# KiCad board PC110.kicad_pcb (continued)
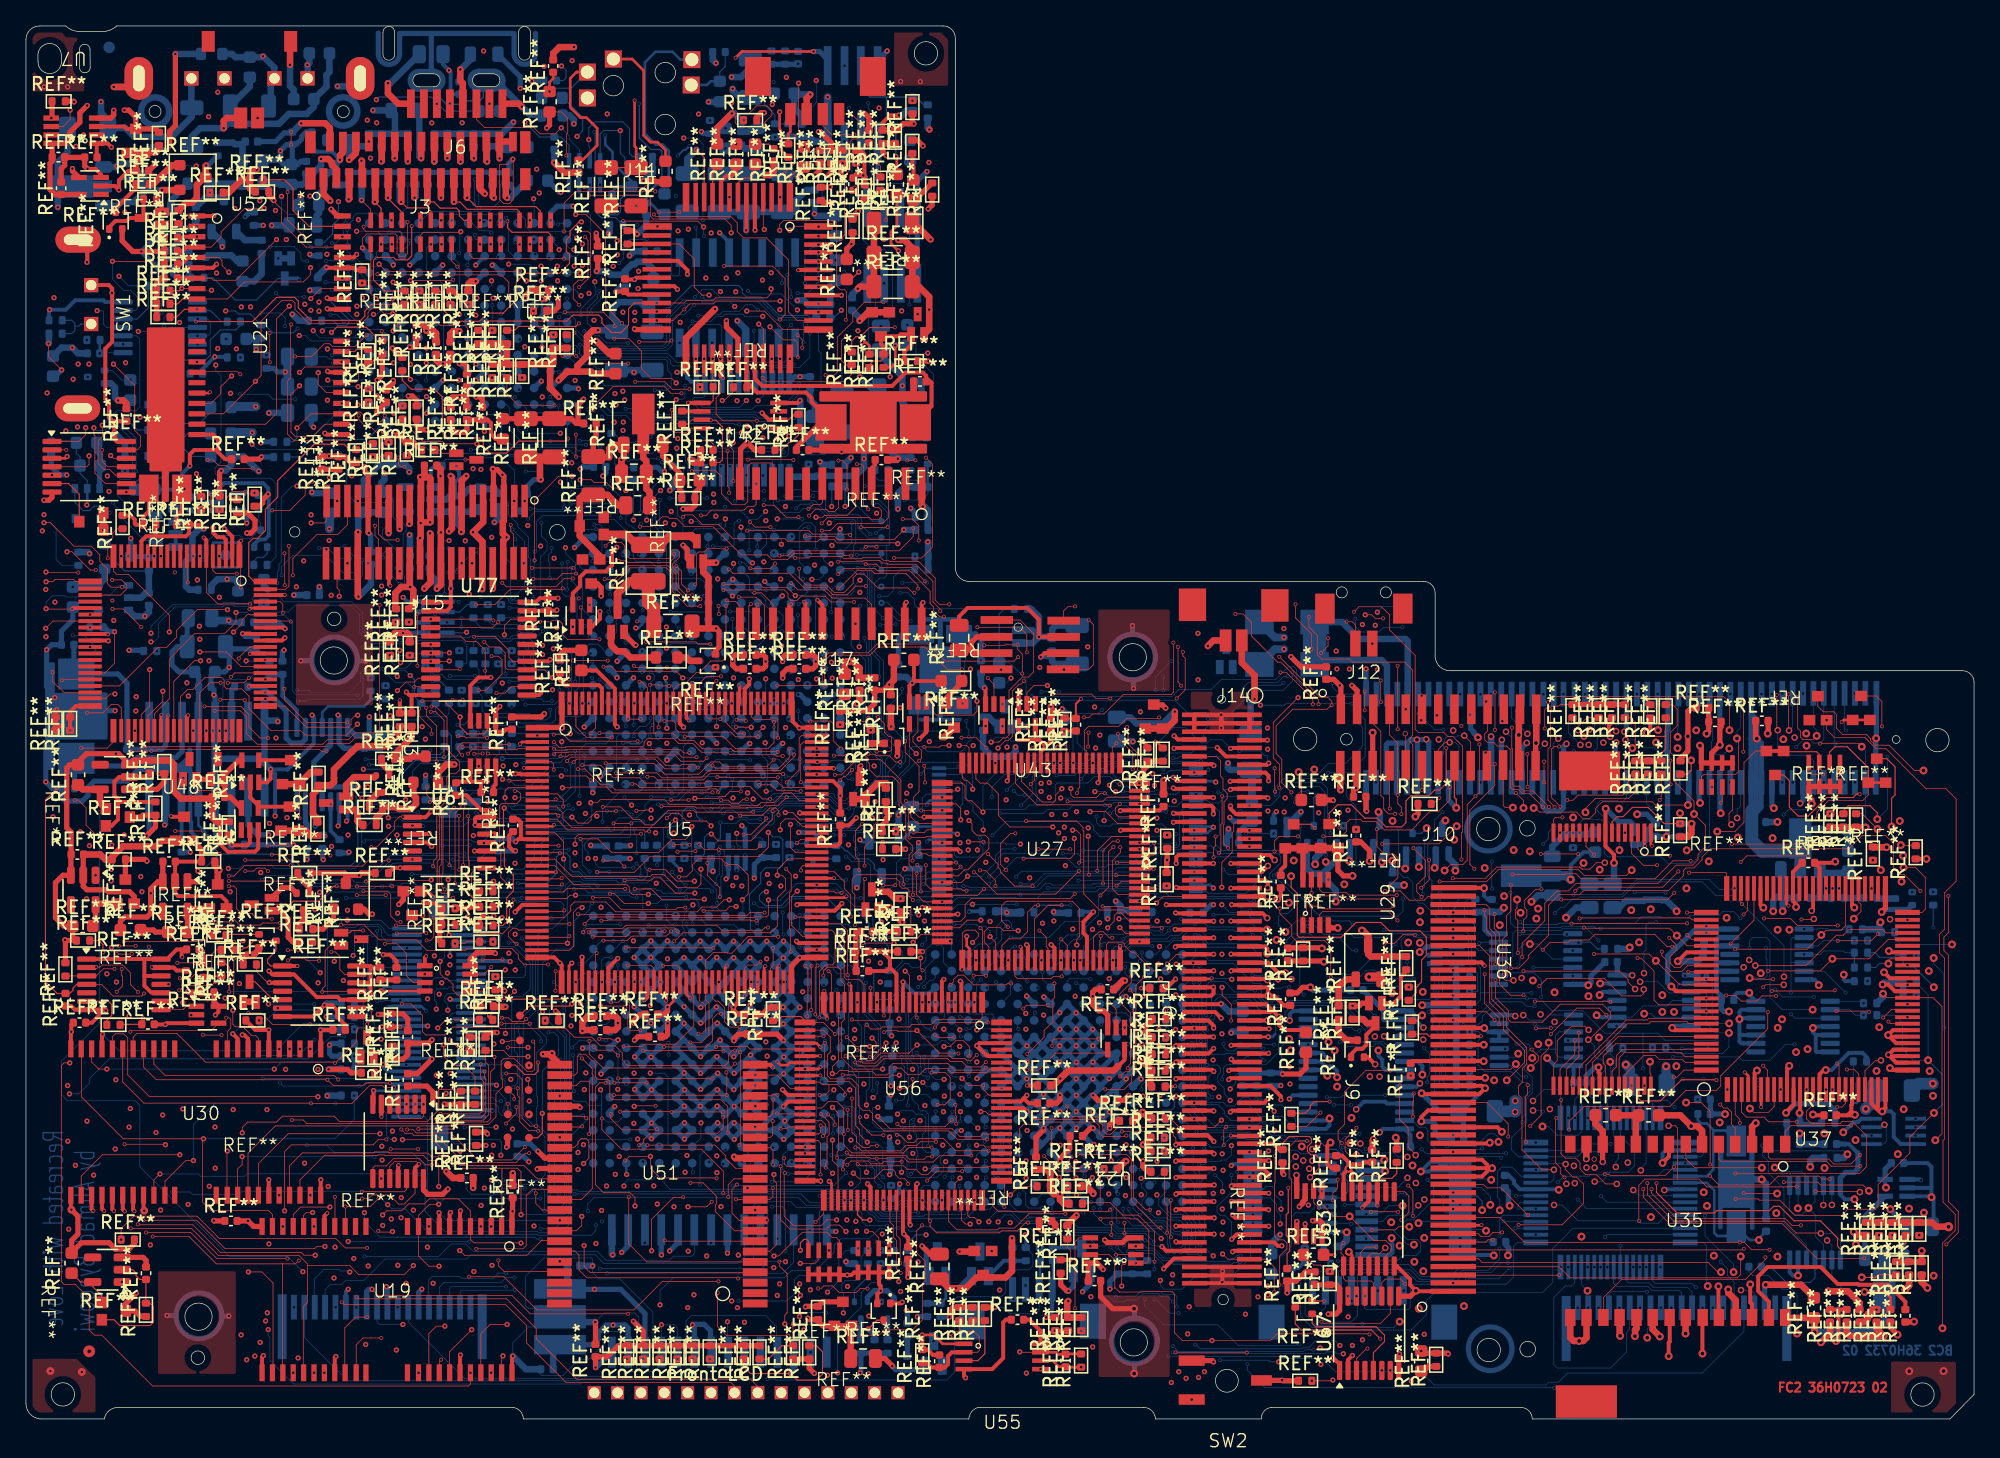
[diagram p0: board, top side]
## Routing (per net, layer and track width the routed paths; a pad name or vN(x,y) marks a point on that pad's centre or on a via; arc(x,y) is an arc through that point) (continued)
ABVD1_STSCHG#: length 105.1
  FC2 w0.05: v2(92.45,22.5) 92.26,22.31 v2(92.26,21.1)
  FC2 w0.2: v2(88.04,27.33) 88.03,27.33 87.75,27.05 REF**#145.2
  FC2 w0.3: v1(95.72,17.39) 95.7,17.41 J16.59
  FC1 w0.05: v2(92.45,22.5) 92.62,22.67 92.62,23.15 91.97,23.8 91.97,23.97 90.97,24.97 90.97,27.08 89.93,28.12 88.22,28.12 88.04,27.94 v2(88.04,27.33) ; v2(92.26,21.1) 93.5,19.86 93.5,18.64 94.75,17.39 v1(95.72,17.39)
  IC1 w0.05: v1(95.72,17.39) 96.12,16.99 106.11,16.99 107.11,15.99 110.92,15.99 111.32,15.59 117.49,15.59 118.65,16.75 v5(118.65,18.12)
  IC2 w0.05: v5(118.65,18.12) 118.55,18.12 118.02,18.65 117.43,18.65 116.08,20 v5(116.08,23.77)
  BC1 w0.05: v11(90.08,38.14) 90.94,38.14 91.16,37.92 93.03,37.92 v11(93.33,38.22) ; v11(95.49,37.12) 96.12,36.49 96.69,36.49 v11(97.02,36.82) ; v11(83.45,31.29) 83.04,31.7 83.04,32.07 83.74,32.77 83.74,33.41 83.9,33.57 83.9,34.72 84.54,35.36 84.54,36.2 85.72,37.38 v11(85.72,38.04) ; v11(102.46,36.1) 102.97,36.1 104.34,34.73 107.09,34.73 108.26,33.56 108.63,33.56 108.94,33.25 108.94,30.84 108.88,30.78 108.88,29.03 109.55,28.36 111.52,28.36 111.78,28.11 111.78,27.35 112.36,26.76 113.24,26.76 113.59,26.41 113.59,25.76 113.86,25.49 114.9,25.49 115.39,25.98 116.07,25.98 116.84,25.21 v11(116.84,23.68)
  BC2 w0.05: v11(85.72,38.04) 86.74,38.04 86.86,37.92 88.18,37.92 88.4,38.14 v11(90.08,38.14) ; v11(83.45,31.29) 84.71,31.29 85.27,30.73 ; v11(95.49,37.12) 94.39,38.22 v11(93.33,38.22) ; v11(116.84,23.68) 116.75,23.77 v5(116.08,23.77) ; v11(102.46,36.1) 102.15,36.1 101.18,37.07 99.23,37.07 98.95,37.35 98.91,37.35 98.88,37.38 97.58,37.38 v11(97.02,36.82)
ABVD2_SPKR#: length 46.8
  FC2 w0.2: REF**#220.2 87.77,28.42 v2(88.04,28.69)
  FC1 w0.05: v2(88.04,28.69) 88.04,28.56 87.67,28.19 87.67,27.26 87.92,27.01 89.84,27.01 90.74,26.11 90.74,23.07 91.55,22.26 93.15,22.26 93.66,21.75 93.66,20.24 94.24,19.66 v2(94.24,18.66) 94.69,18.21 96.42,18.21 96.56,18.35 98.03,18.35 98.33,18.65 98.33,18.69 98.38,18.74 v5(98.38,19.91)
  IC4 w0.05: v1(92.88,33.88) 92.88,30.83 93.9,29.81 93.9,27.39 94.08,27.21 94.08,19.57 95.54,18.11 97.93,18.11 98.37,18.55 98.37,19.9 v5(98.38,19.91)
  BC2 w0.05: v1(92.88,33.88) 92.83,33.93 89.74,33.93 89.08,33.27
ACA0: length 23.8
  FC2 w0.3: J16.58 92.91,18.01 v1(92.85,17.95)
  BC1 w0.05: v11(89.38,32.61) 89.58,32.61 89.6,32.63 92.54,32.63 92.77,32.4 92.77,31.99 94.18,30.58 94.18,29.8 94.43,29.55 94.43,25.69 94.25,25.51 94.25,23.74 93.86,23.35 93.86,21.81 94.12,21.55 94.12,19.26 93.62,18.76 92.88,18.76 v11(92.85,18.79)
  BC2 w0.05: v11(92.85,18.79) v1(92.85,17.95) ; 87.81,33.27 87.81,32.79 88.3,32.3 88.68,32.3 88.99,32.61 v11(89.38,32.61)
ACA1: length 25.9
  FC2 w0.3: J16.56 95.29,19.31 95.7,18.9 v1(95.7,18.72)
  BC1 w0.05: v1(95.7,18.72) 95.7,19.23 95.13,19.8 95.13,21.5 95.09,21.54 95.09,23.52 95.27,23.7 95.27,25.44 95.34,25.51 v11(95.34,27.64) ; v11(90.15,32.12) 89.79,32.12 89.71,32.04 89.14,32.04 88.95,31.85 85.92,31.85 v11(85.36,31.29)
  BC2 w0.05: v11(95.34,27.64) 95.34,27.66 94.67,28.33 93.32,28.33 93.16,28.17 92.4,28.17 92.34,28.11 91.24,28.11 91.02,28.33 91.02,29.5 90.4,30.12 90.4,30.89 90.36,30.93 90.36,31.91 v11(90.15,32.12)
  BC2 w0.2: v11(85.36,31.29) 85.27,31.38 85.27,32
ACA2: length 37.9
  FC1 w0.05: v5(97.81,19.45) 95.35,19.45 v2(94.24,20.56)
  BC1 w0.05: v5(97.81,19.45) 97.25,20.01 97.25,21.72 97.2,21.77 97.2,22.98 98.25,24.03 98.25,30.76 96.46,32.55 v11(96.43,32.55) ; v11(93.45,33.33) 92.71,33.33 92.16,33.88 91.87,33.88 91.82,33.93 91.12,33.93 90.51,33.32 89.81,33.32 89.63,33.5 89.63,34.16 89.38,34.41 87.11,34.41 86.99,34.29 85.96,34.29 84.99,33.32 84.52,33.32 84.1,32.9 84.1,31.98 84.54,31.54 v11(84.54,30.08)
  BC2 w0.05: 84,29.43 84,29.8 84.28,30.08 v11(84.54,30.08) ; v11(93.45,33.33) 94.83,33.33 95.16,33 95.16,32.44 95.47,32.13 96.01,32.13 v11(96.43,32.55)
ACA3: length 24.9
  FC2 w0.05: v2(84.86,27.03) 84.86,27.15 85.09,27.38 85.09,31.28 84.25,32.12 84.25,32.76 85.14,33.65 v2(85.14,34.16)
  FC2 w0.2: v2(92.8,21.84) 92.83,21.81 J16.52
  FC1 w0.05: v2(84.86,27.03) 85.09,26.8 89.47,26.8 90.56,25.71 90.56,22.69 91.41,21.84 v2(92.8,21.84) ; v2(85.14,34.16) 85.5,34.16 85.95,33.71 86.35,33.71 86.55,33.91 v1(87.4,33.91)
  BC2 w0.05: v1(87.4,33.91) 87.28,33.91 86.64,33.27 86.54,33.27
ACA4: length 28.5
  FC1 w0.05: v3(98.27,21) 96.16,23.11 v2(94.24,23.11)
  BC1 w0.05: v11(85.45,30.01) 85.45,30.09 85.81,30.45 86.11,30.45 87.13,31.47 89.08,31.47 89.26,31.65 89.86,31.65 89.95,31.56 91.42,31.56 91.66,31.32 92.39,31.32 93.3,30.41 93.3,28.46 93.9,27.86 93.9,24.48 v11(93.92,24.46) ; v3(98.27,21) 97.73,21 97.49,21.24 v11(97.49,22.62)
  BC2 w0.05: v11(85.45,30.01) 85.18,30.01 84.46,30.73 84,30.73 ; v11(93.92,24.46) 95.06,23.32 96.79,23.32 v11(97.49,22.62)
ACA5: length 28.9
  FC2 w0.3: v1(95.69,24.67) 95.38,24.36 J16.48
  BC1 w0.05: v11(87.9,35.11) 87.53,35.48 86.28,35.48 86.13,35.33 86.13,35.13 85.98,34.98 85.38,34.98 85.02,35.34 85.02,36.04 85.87,36.89 86.44,36.89 86.76,37.21 87.71,37.21 87.91,37.01 89.02,37.01 89.58,36.45 93.12,36.45 94.03,35.54 94.03,34.03 94.15,33.91 94.15,32.41 95,31.56 95,29.74 94.82,29.56 94.82,25.26 94.77,25.21 v11(94.77,24.65)
  BC2 w0.05: v11(87.9,35.11) 87.81,35.02 87.81,34.54 ; v11(94.77,24.65) 95.67,24.65 v1(95.69,24.67)
ACA6: length 32.1
  FC2 w0.3: J16.46 95.86,25.66 96.66,24.86 v1(96.66,24.6)
  BC1 w0.05: v11(96.3,20.6) 96.58,20.6 96.69,20.71 96.69,21.32 96.59,21.42 96.59,24.03 96.65,24.09 96.65,24.59 v1(96.66,24.6) ; v11(89.7,36.74) 91.06,36.74 91.16,36.64 93.24,36.64 94.19,35.69 94.19,34.08 94.35,33.92 94.35,32.55 95.19,31.71 95.19,29.62 95.01,29.44 95.01,23.85 94.82,23.66 v11(94.82,21.1)
  BC2 w0.05: v11(89.7,36.74) 89.15,36.74 89.03,36.86 88.36,36.86 87.81,36.31 87.81,35.78 ; v11(96.3,20.6) 96.3,20.86 96,21.16 94.88,21.16 v11(94.82,21.1)
ACA7: length 15.2
  FC2 w0.3: v1(92.65,26.85) 92.71,26.91 J16.44
  BC1 w0.05: v1(92.65,26.85) 92.22,26.85 92.15,26.78 92.15,26.55 91.75,26.15 90.2,26.15 89.71,26.64 85.43,26.64 85.22,26.85 84.41,26.85 82.83,28.43 v11(82.83,30.39)
  BC2 w0.05: v11(82.83,30.39) 82.83,30.63 82.73,30.73 82.73,30.7
ACA8: length 24.7
  FC2 w0.3: J16.24 92.89,39.61 v1(92.87,39.63)
  BC1 w0.05: v11(85.53,43) 85.53,41.35 86.69,40.19 92.31,40.19 v1(92.87,39.63) ; v11(80.81,34.49) 80.81,35.75 81.39,36.33 81.39,37.54 81.28,37.65 81.28,39.26 81.41,39.39 81.41,42.98 v11(81.39,43)
  BC2 w0.05: v11(81.39,43) v11(85.53,43) ; v11(80.81,34.49) 80.76,34.54 80.19,34.54
ACA9: length 19
  FC2 w0.3: J16.22 92.82,40.91 v1(92.81,40.9)
  BC1 w0.05: v1(92.81,40.9) 92.81,41.3 92.63,41.48 87.18,41.48 87.01,41.31 v11(87.01,40.51)
  BC2 w0.05: v11(87.01,40.51) 86.65,40.51 86.47,40.69 83.09,40.69 82.62,40.22 82.62,38.88 81.65,37.91 81.65,37.43 81.19,36.97 80.71,36.97 80.19,36.45 80.19,35.78
ACA10: length 41.8
  FC1 w0.05: v1(96.92,46.77) 96.92,45.22 96.41,44.71 v2(94.24,44.71)
  BC1 w0.05: v11(77,35.56) 77.47,36.03 77.47,40.6 77.94,41.07 v11(77.94,47.67) ; v1(96.92,46.77) 96.92,47.31 96.86,47.37 95.33,47.37 93,49.7 91.38,49.7 v11(91.06,50.02)
  BC2 w0.05: 77.65,34.54 77.22,34.54 77,34.76 v11(77,35.56) ; v11(77.94,47.67) 77.94,48.07 77.79,48.22 77.79,49.28 78.63,50.12 83.1,50.12 83.48,50.5 90.22,50.5 90.29,50.43 90.95,50.43 91.06,50.32 v11(91.06,50.02)
ACA11: length 25
  FC2 w0.3: v5(95.66,42.62) 95.2,42.16 J16.20
  BC1 w0.05: v11(81.07,41.48) v11(81.07,37.3) ; v11(86.44,41.51) 86.76,41.51 86.93,41.68 92.45,41.68 v11(93.37,42.6)
  BC2 w0.05: 78.92,34.54 79.62,35.24 79.62,36.71 80.21,37.3 v11(81.07,37.3) ; v11(86.44,41.51) 82.03,41.51 82,41.48 v11(81.07,41.48) ; v5(95.66,42.62) 95.64,42.6 v11(93.37,42.6)
ACA12: length 16.9
  FC2 w0.3: v1(95.71,28.18) 95.69,28.16 J16.42
  IC2 w0.05: v1(95.71,28.18) 94.95,28.94 94.95,31.24 93.36,32.83 93.36,34.65 93.1,34.91 90.1,34.91 89.31,35.7 88.02,35.7 v1(87.31,36.41)
  BC2 w0.05: 86.54,35.81 87.04,35.81 87.31,36.08 v1(87.31,36.41)
ACA13: length 19.5
  FC2 w0.3: J16.26 92.82,38.36 v1(92.81,38.37)
  IC1 w0.05: v1(92.81,38.37) 92.2,37.76 91.07,37.76 90.41,37.1 81.74,37.1 81.47,37.37 81.08,37.37 80.7,37.75 v1(80.63,37.75)
  BC1 w0.05: v1(80.63,37.75) 80.63,36.9 80.53,36.8 80.53,33.96 v11(80.9,33.59)
  BC2 w0.05: 81.46,33.27 81.44,33.29 81.29,33.29 80.99,33.59 v11(80.9,33.59)
ACA14: length 13.7
  FC2 w0.3: v1(92.8,37.08) 92.82,37.06 J16.28
  BC1 w0.05: v11(85.1,38.05) 85.1,37.66 84.63,37.19 83.94,37.19 v11(82.62,35.87) ; v11(87.46,37.61) 87.67,37.4 87.88,37.4 88.04,37.24 89.25,37.24 89.38,37.11 89.78,37.11 89.86,37.03 90.67,37.03 91.2,37.56 92.32,37.56 v1(92.8,37.08)
  BC2 w0.05: v11(87.46,37.61) 86.87,37.61 86.8,37.68 85.47,37.68 v11(85.1,38.05) ; 82.73,35.81 82.67,35.87 v11(82.62,35.87)
ACA15: length 26.8
  FC2 w0.2: J16.40 94.26,29.44 v1(95.69,29.44)
  BC1 w0.05: v11(83.45,33.21) 82.85,32.61 82.85,30.92 84,29.77 84.66,29.77 84.87,29.98 84.87,31.6 84.35,32.12 84.35,32.83 84.64,33.12 85.27,33.12 85.67,33.52 86.3,33.52 86.66,33.16 86.66,32.69 87.09,32.26 88.83,32.26 89,32.43 89,32.77 89.16,32.93 89.53,32.93 89.62,32.84 92.88,32.84 93.09,32.63 v11(93.09,32.11)
  BC2 w0.05: v11(83.45,33.21) 83.51,33.27 84,33.27 84,33.24 ; 96.24,29.67 96.24,30.53 96.07,30.7 96.07,30.96 95.67,31.36 95.19,31.36 94.23,32.32 93.3,32.32 v11(93.09,32.11)
  BC2 w0.2: 96.24,29.67 96.01,29.44 v1(95.69,29.44)
ACA16: length 35.5
  FC2 w0.3: v5(95.63,30.72) 95.62,30.71 J16.38
  IC2 w0.05: v5(95.63,30.72) 95.63,31.24 95.82,31.43 97.53,31.43 97.88,31.08 97.88,24.19 96.31,22.62 93.03,22.62 91.95,23.7 91.95,23.96 91.74,24.17 91.25,24.17 90.19,25.23 90.19,30.08 85.64,34.63 84.14,34.63 v1(83.44,33.93)
  BC2 w0.05: 84,34.54 84,34.52 83.44,33.96 v1(83.44,33.93)
ACA17: length 18.8
  FC2 w0.3: J16.25 95.25,38.96 v5(95.61,38.6)
  BC1 w0.05: v11(88.04,37.65) 88.04,37.89 88.35,38.2 89.18,38.2 89.29,38.31 89.29,39.31 89.39,39.41 90.29,39.41 90.84,38.86 v11(91.46,38.86)
  BC2 w0.05: 81.46,35.81 81.46,36.41 82.4,37.35 84.52,37.35 84.7,37.53 86.6,37.53 86.84,37.29 87.68,37.29 v11(88.04,37.65) ; v11(91.46,38.86) 94.1,38.86 94.36,38.6 v5(95.61,38.6)
ACA18: length 21.6
  FC2 w0.3: v3(95.6,37.72) 95.59,37.71 J16.27
  BC1 w0.05: v3(95.6,37.72) 94.58,38.74 v11(94.58,39.91) ; v11(81.9,35.18) 81.9,35.85 82.03,35.98 82.03,36.31 82.93,37.21 83.63,37.21 83.85,37.43 84.52,37.43 84.72,37.63 84.72,39.93 v11(85.01,40.22)
  BC2 w0.05: v11(81.9,35.18) 81.9,35.17 81.46,34.73 81.46,34.54 ; v11(94.58,39.91) 94.57,39.9 94.21,39.9 94.02,40.09 87.55,40.09 87.42,40.22 v11(85.01,40.22)
ACA19: length 18.8
  FC2 w0.3: J16.29 95.43,36.41 95.61,36.23 v3(95.61,35.86)
  BC1 w0.05: v11(83.5,35.32) 82.81,34.63 v11(82.81,33.4)
  BC2 w0.05: v3(95.61,35.86) 94.86,36.61 91.12,36.61 91.11,36.6 91.06,36.6 90.89,36.77 90.89,37.26 90.56,37.59 89.5,37.59 88.97,37.06 88.32,37.06 88.07,36.81 86.7,36.81 86.54,36.65 84.98,36.65 84.73,36.4 83.9,36.4 83.5,36 v11(83.5,35.32) ; 82.73,33.24 82.81,33.32 v11(82.81,33.4) 82.81,33.35 82.73,33.27
ACA20: length 17.7
  FC2 w0.3: J16.31 95.68,35.16 96.44,34.4 v5(97.03,34.4)
  BC1 w0.05: v11(90.64,35.74) 90.3,35.74 90.17,35.87 88.17,35.87 87.85,36.19 87.85,36.47 87.48,36.84 87.15,36.84 v11(86.75,36.44)
  BC2 w0.05: 84,35.81 84.25,36.06 84.65,36.06 85.03,36.44 v11(86.75,36.44) ; v11(90.64,35.74) 90.7,35.74 91.12,35.32 94.86,35.32 95.78,34.4 v5(97.03,34.4)
ACA21: length 23.5
  FC2 w0.3: v5(95.62,33.82) 95.53,33.91 J16.33
  BC1 w0.05: v11(82.79,36.51) 82.25,35.97 82.25,35.15 81.67,34.57 v11(81.67,31.92) ; v11(93.64,37.57) 93.64,36.75 94.47,35.92 v11(94.47,34.2)
  BC2 w0.05: v11(82.79,36.51) 82.97,36.69 84.07,36.69 84.16,36.6 84.64,36.6 84.91,36.87 86.41,36.87 86.53,36.99 87.88,36.99 88.13,37.24 88.8,37.24 89.37,37.81 90.75,37.81 90.87,37.69 93.07,37.69 93.19,37.57 v11(93.64,37.57) ; v5(95.62,33.82) 95.24,34.2 v11(94.47,34.2) ; 81.46,32 81.54,31.92 v11(81.67,31.92) 81.51,31.92 81.46,31.97
ACA22: length 17.2
  FC2 w0.3: v1(95.75,30.07) 95.74,30.06 J16.39
  BC1 w0.05: v11(85.55,35.77) 85.55,35.95 85.99,36.39 86.33,36.39 86.83,35.89 87.76,35.89 87.96,35.69 89.91,35.69 90.17,35.43 91.16,35.43 91.24,35.35 92.33,35.35 92.52,35.16 93.13,35.16 93.65,34.64 93.65,33.82 93.8,33.67 93.8,31.94 94.48,31.26 v11(94.48,30.09)
  BC2 w0.05: 85.28,35.77 85.27,35.78 ; v11(85.55,35.77) 85.31,35.77 85.27,35.81 ; v11(94.48,30.09) 95.73,30.09 v1(95.75,30.07)
ACA23: length 16.7
  FC2 w0.3: J16.41 92.85,28.81 v1(92.83,28.79)
  IC2 w0.05: v1(92.12,34.34) 92.12,34.3 91.49,33.67 91.33,33.67 91.04,33.38 91.04,29.15 91.27,28.92 92.09,28.92 92.22,28.79 v1(92.83,28.79)
  BC1 w0.05: v1(92.12,34.34) 92.12,34.79 91.92,34.99 90.87,34.99 90.49,34.61 86.95,34.61 86.82,34.48 v11(85.55,34.48)
  BC2 w0.05: 85.27,34.54 85.33,34.48 v11(85.55,34.48)
ACA24: length 16.2
  FC2 w0.3: v1(92.84,27.72) 93.05,27.51 J16.43
  BC1 w0.05: v11(85.5,32.57) 85.5,32.24 85.67,32.07 88.86,32.07 89.05,32.26 89.68,32.26 89.89,32.47 92.27,32.47 92.55,32.19 92.55,31.79 93.93,30.41 93.93,29.66 94.11,29.48 v11(94.11,28.04)
  BC2 w0.05: v11(94.11,28.04) 93.79,27.72 v1(92.84,27.72) ; v11(85.5,32.57) 85.5,33.04 85.27,33.27
ACA25: length 24
  FC2 w0.3: v1(92.65,26.15) 92.76,26.26 J16.45
  IC4 w0.05: v1(88.56,32.68) 87.87,31.99 87.87,29.68 88.16,29.39 89.5,29.39 89.82,29.07 89.82,23.78 91.01,22.59 92.71,22.59 93.52,23.4 93.52,25.82 93.19,26.15 v1(92.65,26.15)
  BC1 w0.05: v1(88.56,32.68) 87.3,32.68 87.1,32.88 87.1,33.43 86.57,33.96 v11(86.41,33.96)
  BC2 w0.05: 86.54,34.51 86.54,34.54 86.41,34.41 v11(86.41,33.96)
ACD0: length 21
  FC2 w0.3: v1(92.85,16.76) J16.60
  IC4 w0.05: v1(92.85,16.76) 93.23,16.76 93.44,16.97 93.44,17.01 93.43,17.02 93.43,22.56 93.9,23.03 93.9,26.66 93.64,26.92 93.64,28.98 93.36,29.26 92.54,29.26 v1(92.12,29.68)
  BC1 w0.05: v11(89.34,31.29) 89.62,31.29 89.71,31.38 91.27,31.38 91.65,31 91.65,30.66 92.12,30.19 v1(92.12,29.68)
  BC2 w0.4: v11(89.34,31.29) 89.08,31.55 89.08,32
ACD1: length 33.7
  FC2 w0.3: J16.62 93.15,15.51 v1(92.93,15.73)
  IC2 w0.05: v1(87.22,27.48) 86.72,27.98 85.6,27.98 84.27,26.65 84.27,22.97 85.29,21.95 92.82,21.95 93.3,21.47 93.3,19.3 92.61,18.61 91.47,18.61 90.78,17.92 90.78,16.84 91.89,15.73 v1(92.93,15.73)
  BC1 w0.05: v1(87.22,27.48) 87.22,28.1 86.76,28.56 86.76,30.69 87.22,31.15 v11(88.4,31.15)
  BC2 w0.05: 87.81,32 88.4,31.41 v11(88.4,31.15)
ACD1#: length 47.3
  FC2 w0.05: REF**#211.2 68.16,39.19 v2(68.05,39.3)
  FC2 w0.3: J16.5 92.83,51.71 v1(92.79,51.67)
  FC1 w0.05: v2(68.05,39.3) 68.05,39.67 67.88,39.84 67.88,40.86 68.07,41.05 73.16,41.05 74.26,39.95 v1(74.26,38.34)
  BC1 w0.05: v11(75.55,48.46) 75.55,48.45 74.51,47.41 74.51,45.45 74.81,45.15 74.81,44.34 74.7,44.23 74.7,42.34 74.51,42.15 74.51,40.31 74.26,40.06 v1(74.26,38.34) 74.26,37.88 73.82,37.44 73.82,36.61 73.88,36.55 v11(73.88,35.96)
  BC2 w0.05: 73.84,35.81 73.88,35.85 v11(73.88,35.96) 73.88,35.82 ; v1(92.79,51.67) 92.12,52.34 91.21,52.34 90.97,52.1 90.49,52.1 89.31,53.28 88.36,53.28 86.32,51.24 85.61,51.24 85.38,51.01 82.11,51.01 81.62,50.52 78.15,50.52 77.07,49.44 76.53,49.44 v11(75.55,48.46)
ACD2: length 25
  FC2 w0.3: v1(92.87,13.84) 93.24,14.21 J16.64
  BC1 w0.05: v11(89.91,29.52) 89.51,29.12 89.51,28.88 89.76,28.63 90.5,28.63 91.04,28.09 91.89,28.09 92.13,28.33 93.18,28.33 93.68,27.83 93.68,24.8 93.64,24.76 93.64,21.73 93.96,21.41 93.96,19.45 93.55,19.04 v11(93.29,19.04)
  BC2 w0.05: v11(93.29,19.04) 93.29,17.58 93.09,17.38 92.75,17.38 91.74,16.37 91.74,15.94 92.02,15.66 92.38,15.66 92.87,15.17 v1(92.87,13.84) ; v11(89.91,29.52) 89.91,30.31 89.49,30.73 89.08,30.73
ACD2#: length 87.4
  FC2 w0.05: v2(96.15,9.8) 96.15,11.7 95.54,12.31 J16.67 92.57,12.31 v1(92.17,12.71) ; REF**#136.2 87.68,16.73 87.9,16.51 v2(87.9,14.36)
  FC1 w0.05: v1(92.17,12.71) 92.17,13.22 91.86,13.53 90.11,13.53 89.28,14.36 v2(87.9,14.36) ; v1(102.17,5.66) 102.79,5.66 102.89,5.56 102.89,3.99 102.31,3.41 97.74,3.41 97.26,3.89 96.25,3.89 96.09,4.05 96.09,4.88 96.13,4.92 96.13,9.78 v2(96.15,9.8)
  BC1 w0.05: v11(89.58,30.09) 89.85,30.36 90.18,30.36 90.49,30.67 91.35,30.67 v11(91.37,30.65) ; v1(102.17,5.66) 102.17,6.5 101.05,7.62 v11(101.05,12.18) ; v11(103.41,30.06) 103.41,29.42 103.49,29.34 103.49,28.33 104.7,27.12 104.7,26.17 103.98,25.45 103.98,23.56 104.15,23.39 107.64,23.39 107.95,23.08 v11(107.95,18.42)
  BC2 w0.05: v11(89.58,30.09) 89.58,30.04 89.08,29.54 89.08,29.43 ; v11(91.37,30.65) 91.57,30.85 91.57,32.23 91.85,32.51 94.47,32.51 95.28,31.7 97.06,31.7 97.42,32.06 100.42,32.06 100.65,31.83 101.64,31.83 v11(103.41,30.06) ; v11(107.95,18.42) 108.43,17.94 108.43,16.9 106.87,15.34 106.34,15.34 106.03,15.03 106.03,14.2 106.4,13.83 107.16,13.83 107.41,13.58 107.41,12.94 107.08,12.61 106.05,12.61 105.62,12.18 v11(101.05,12.18)
ACD3: length 42
  FC2 w0.3: v1(95.62,52.31) J16.4
  IC2 w0.05: v1(95.62,52.31) 94.26,50.95 91.09,50.95 90.28,50.14 85.31,50.14 84.62,49.45 82.27,49.45 79.6,46.78 79.6,46.37 79.96,46.01 80.78,46.01 81.24,45.55 v1(81.82,45.55)
  BC1 w0.05: v11(75.85,37.1) v11(75.85,33.66) ; v1(81.82,45.55) 82.31,45.06 82.31,44.65 81.73,44.07 81.73,39.19 81.6,39.06 v11(81.6,38.33)
  BC2 w0.05: v11(75.85,33.66) 75.85,32.74 75.11,32 ; v11(81.6,38.33) 80.02,38.33 78.79,37.1 v11(75.85,37.1)
ACD4: length 39.9
  FC2 w0.3: J16.6 92.43,51.06 v1(91.76,51.73)
  BC1 w0.05: v11(81.25,49.32) 81.25,48.14 81.45,47.94 81.45,46.53 80.97,46.05 78.86,46.05 78.36,45.55 78.36,40.69 77.86,40.19 77.86,37.38 78.03,37.21 78.03,34.92 77.56,34.45 76.56,34.45 76.28,34.17 76.28,32.76 v11(77.73,31.31) ; v11(85.97,48.86) 85.97,49.1 86.32,49.45 86.32,49.79 85.96,50.15 v11(85.96,50.92)
  BC2 w0.05: v11(85.96,50.92) 87.66,50.92 88.06,51.32 89.77,51.32 90.18,51.73 v1(91.76,51.73) ; 77.65,30.73 77.65,31.23 v11(77.73,31.31) ; v11(81.25,49.32) 81.65,49.72 83.68,49.72 84.29,49.11 85.72,49.11 v11(85.97,48.86)
ACD5: length 51.7
  FC2 w0.3: J16.8 95.47,49.81 95.71,49.57 v1(95.71,49.18)
  BC1 w0.05: v11(79.56,56.05) 80.25,56.74 88.1,56.74 89.13,57.77 91.99,57.77 93.35,56.41 93.35,53.31 94.66,52 94.66,50.23 v1(95.71,49.18) ; v11(78.23,56.03) 76.64,54.44 76.64,52.33 76.82,52.15 76.82,49.62 76.42,49.22 76.42,48.03 75.48,47.09 74.96,47.09 74.72,46.85 74.72,45.54 75.01,45.25 75.01,44.2 74.89,44.08 74.89,42.12 74.71,41.94 v11(74.71,33.67)
  BC2 w0.05: v11(78.23,56.03) 78.24,56.04 79.55,56.04 v11(79.56,56.05) ; v11(74.71,33.67) 75.11,33.27 75.11,33.24
ACD6: length 41.1
  FC2 w0.3: J16.10 92.84,48.56 v1(92.78,48.5)
  BC1 w0.05: v11(91.83,48.29) 90.99,48.29 90.43,48.85 89.78,48.85 89.24,49.39 89.24,50.76 88.72,51.28 88.11,51.28 87.84,51.55 v11(86.22,51.55) ; v11(80.96,53.98) 79.18,53.98 77.23,52.03 77.23,43.26 76.88,42.91 76.88,41.43 77.04,41.27 77.04,37.58 76.18,36.72 v11(76.18,36.4)
  BC2 w0.05: v11(86.22,51.55) 85.25,51.55 84.87,51.17 81.89,51.17 80.96,52.1 v11(80.96,53.98) ; 75.11,34.54 75.81,35.24 75.81,36.15 76.06,36.4 v11(76.18,36.4) ; v11(91.83,48.29) 92.1,48.29 92.31,48.5 v1(92.78,48.5)
ACD7: length 43.8
  FC1 w0.05: v2(94.24,47.26) 94.28,47.22 95.27,47.22 95.39,47.34 96.47,47.34 v1(96.99,47.86)
  BC1 w0.05: v11(76.43,35.96) 76.64,36.17 76.64,36.78 77.28,37.42 77.28,40.82 77.75,41.29 77.75,45.19 77.45,45.49 77.45,51.82 78.91,53.28 83.16,53.28 83.29,53.41 90.69,53.41 91.55,52.55 93.35,52.55 94.13,51.77 94.13,49.28 94.92,48.49 96.36,48.49 v1(96.99,47.86)
  BC2 w0.05: 76.38,35.81 76.43,35.86 v11(76.43,35.96) 76.43,35.83
ACD8: length 27.1
  FC2 w0.3: J16.61 95.67,16.16 v1(95.71,16.12)
  BC1 w0.05: v11(85.38,27.47) 85.81,27.04 90,27.04 90.09,26.95 91.07,26.95 91.32,27.2 91.67,27.2 92.62,28.15 93.03,28.15 93.49,27.69 93.49,25.06 93.41,24.98 93.41,21.62 93.5,21.53 93.5,19.68 92.96,19.14 92.76,19.14 92.52,18.9 92.52,18.6 92.69,18.43 93.56,18.43 94.37,19.24 94.82,19.24 95.16,18.9 95.16,16.67 v1(95.71,16.12)
  BC2 w0.05: 85.27,28.19 85.27,27.58 v11(85.38,27.47)
ACD9: length 71.6
  FC2 w0.3: J16.63 95.71,14.86 v1(95.72,14.85)
  BC1 w0.05: v11(101.19,29.04) 101.19,31.16 99.35,33 99.35,33.57 99.21,33.71 98.74,33.71 98.31,33.28 v11(97.3,33.28) ; v1(95.72,14.85) 95.72,14.3 95.53,14.11 95.53,13.5 95.25,13.22 95.25,11.08 95.56,10.77 96.3,10.77 96.75,11.22 v11(98.52,11.22) ; v11(89.95,31.13) 89.63,30.81 89.13,30.81 88.83,30.51 v11(87.16,30.51) ; v11(89.95,33.64) 89.93,33.66 v11(89.93,34.34) ; v11(102.93,7.34) 102.93,10.8 103.74,11.61 107.16,11.61 107.52,11.97 107.52,12.43 107.33,12.62 106.74,12.62 106.49,12.87 106.49,14.16 106.24,14.41 106.02,14.41 105.87,14.56 105.87,15.46 105.22,16.11 105.22,16.75 105.62,17.15 105.62,19.99 105.2,20.41 104,20.41 103.38,21.03 103.38,25.63 103.01,26 103.01,26.94 103.16,27.09 v11(103.16,29.04)
  BC2 w0.05: v11(89.95,31.13) 89.95,31.64 89.83,31.76 89.83,32.36 89.95,32.48 v11(89.95,33.64) ; v11(102.93,7.34) 102.44,7.34 102.33,7.23 99.37,7.23 98.52,8.08 v11(98.52,11.22) ; v11(89.93,34.34) 89.93,34.91 90.2,35.18 90.72,35.18 90.82,35.08 93.01,35.08 94.52,33.57 95.06,33.57 95.44,33.19 96.7,33.19 96.79,33.28 v11(97.3,33.28) ; v11(101.19,29.04) v11(103.16,29.04) ; v11(87.16,30.51) 86.94,30.73 86.54,30.73
ACD10: length 27
  FC2 w0.3: J16.65 96.14,13.61 96.41,13.34 v1(96.73,13.34)
  BC1 w0.05: v11(90.27,28.28) 88.34,28.28 88.1,28.52 88.1,29.46 87.91,29.65 v11(87.91,30.03) ; v1(96.73,13.34) 96.18,13.89 96.18,16.43 95.95,16.66 95.7,16.66 95.32,17.04 95.32,19.25 94.52,20.05 94.52,22.98 v11(94.5,23)
  BC2 w0.05: v11(94.5,23) 92.81,23 92.29,23.52 92.29,23.75 91.81,24.23 90.93,24.23 90.84,24.14 90.49,24.14 90.19,24.44 90.19,25.69 90.3,25.8 90.3,26.17 90.37,26.24 90.37,27.89 90.27,27.99 v11(90.27,28.28) ; v11(87.91,30.03) 87.81,30.13 87.81,30.73
ACD11: length 39.5
  FC2 w0.3: v1(95.72,50.54) 95.59,50.41 J16.7
  BC1 w0.05: v11(76.64,47.28) 75.85,46.49 75.85,43.83 76.21,43.47 76.21,42.47 75.77,42.03 75.77,39.47 75.97,39.27 75.97,38.81 75.52,38.36 v11(75.52,38.01) ; v11(93.48,51.48) 93.48,51.81 93.11,52.18 91.07,52.18 90.49,51.6 v11(90.49,50.71)
  BC2 w0.05: U25.R4 74.53,35.21 74.53,36.31 75.13,36.91 75.13,37.62 v11(75.52,38.01) ; v11(93.48,51.48) 95.06,51.48 95.4,51.14 95.61,51.14 95.65,51.1 95.65,50.61 v1(95.72,50.54) ; v11(90.49,50.71) 90.09,50.71 90.03,50.65 82.78,50.65 82.47,50.34 78.36,50.34 77.51,49.49 77.51,48.15 v11(76.64,47.28)
ACD12: length 38.3
  FC2 w0.3: v1(92.76,49.14) 92.78,49.16 J16.9
  BC1 w0.05: v11(75.02,46.67) 75.02,45.61 75.18,45.45 75.18,44.06 75.06,43.94 75.06,42 74.9,41.84 74.9,36.03 v11(75.04,35.89) ; v1(92.76,49.14) 92.38,49.52 91.13,49.52 90.99,49.38 89.88,49.38 89.62,49.64 89.62,52.2 88.76,53.06 88.07,53.06 87.62,52.61 84.92,52.61 83.12,50.81 v11(83.12,47.3)
  BC2 w0.05: 75.04,35.85 v11(75.04,35.89) 75.04,35.88 75.11,35.81 ; v11(75.02,46.67) 78.36,46.67 78.65,46.96 80.31,46.96 80.65,47.3 v11(83.12,47.3)
ACD13: length 44.4
  FC2 w0.3: v1(95.65,47.85) 95.59,47.91 J16.11
  IC4 w0.05: v1(95.65,47.85) 94.88,47.85 94.56,48.17 94.56,51.84 94.19,52.21 90.19,52.21 89.31,53.09 84.98,53.09 83.02,51.13 83.02,48.18 82.59,47.75 82.59,42.76 81.4,41.57 81.4,32.6 80.53,31.73 77.49,31.73 v1(77.01,31.25)
  BC2 w0.05: v1(77.01,31.25) 76.38,31.88 76.38,32
ACD14: length 33.9
  FC2 w0.3: J16.13 93.2,46.61 92.78,47.03 v1(92.78,47.24)
  BC1 w0.05: v11(77.13,33.72) 78.36,33.72 79.64,35 79.64,39.59 79.42,39.81 79.42,43.15 v11(79.85,43.58) ; v1(92.78,47.24) 93.79,47.24 94.29,46.74 94.29,44.75 93.53,43.99 89.71,43.99 89.38,44.32 v11(88.52,44.32)
  BC2 w0.05: v11(79.85,43.58) 80.96,43.58 80.99,43.55 81.03,43.55 81.21,43.37 85.82,43.37 86.77,44.32 v11(88.52,44.32) ; 76.38,34.54 76.38,34.46 77.12,33.72 v11(77.13,33.72)
ACD15: length 34.1
  FC1 w0.05: v1(95.66,46.85) 95.66,45.97 95.05,45.36 v2(94.24,45.36)
  IC2 w0.05: v1(80.05,46.57) 80.74,47.26 82.64,47.26 84.16,45.74 87.69,45.74 88.42,45.01 94.83,45.01 95.66,45.84 v1(95.66,46.85)
  BC1 w0.05: v1(80.05,46.57) 79.6,47.02 78.63,47.02 78.15,46.54 78.15,40.86 77.67,40.38 77.67,37.17 77.71,37.13 v11(77.71,35.96)
  BC2 w0.05: 77.65,35.81 77.71,35.87 v11(77.71,35.96) ; 77.71,35.84 77.65,35.78
ACE1#: length 30.7
  FC2 w0.05: v1(92.11,40.97) 92.11,42.88 92.91,43.68 92.91,45.18 93.03,45.3 93.03,45.85 93.19,46.01 J16.14
  BC1 w0.05: v11(76.63,33.21) 76.63,33.87 76.85,34.09 78.39,34.09 78.67,34.37 78.67,36.05 78.55,36.17 78.55,36.9 78.74,37.09 78.74,40.89 v11(78.71,40.92) ; v1(92.11,40.97) 92.11,40.55 91.97,40.41 88.04,40.41 v11(87.31,41.14)
  BC2 w0.05: 76.38,33.27 76.44,33.21 v11(76.63,33.21) ; v11(78.71,40.92) 82.35,40.92 82.48,41.05 86.88,41.05 86.97,41.14 v11(87.31,41.14)
ACE2#: length 41
  FC1 w0.05: v3(97.65,43.04) 96.58,44.11 v2(94.24,44.11)
  BC1 w0.05: v3(97.65,43.04) 96.83,43.04 96.19,43.68 93.77,43.68 93.7,43.75 88.66,43.75 87.84,44.57 87.84,45.13 88.08,45.37 88.38,45.37 88.87,45.86 88.87,46.86 88.62,47.11 88.14,47.11 v11(87.82,46.79) ; v11(83.49,46.66) 83.49,45.84 83.34,45.69 82.73,45.69 82.42,46 81.62,46 81.36,45.74 81.36,44.8 80.2,43.64 80.2,43.43 79.64,42.87 79.64,41.79 79.84,41.59 79.84,34.92 78.14,33.22 v11(77.92,33.22)
  BC2 w0.05: v11(87.82,46.79) 85.24,46.79 84.78,47.26 84.14,47.26 83.55,46.66 v11(83.49,46.66) ; 77.65,33.27 77.7,33.22 v11(77.92,33.22)
ACIORD#: length 26.1
  FC2 w0.3: v5(95.65,40.93) 95.65,41.33 95.47,41.51 J16.21
  IC3 w0.05: v1(78.3,38.2) 78.3,39.05 78.86,39.61 82.73,39.61 83.7,40.58 88.1,40.58 88.2,40.48 93.93,40.48 94.38,40.93 v5(95.65,40.93)
  BC1 w0.05: v1(78.3,38.2) 78.3,34.44 v11(78.29,34.43)
  BC2 w0.05: v11(78.29,34.43) 78.29,33.9 78.92,33.27
ACIOWR#: length 21.4
  FC2 w0.3: J16.23 95.61,40.26 v5(95.62,40.25)
  BC1 w0.05: v11(93.65,39.49) 93.35,39.19 90.99,39.19 90.51,39.67 88.55,39.67 87.87,38.99 87.03,38.99 86.72,38.68 86.72,37.63 v11(86.31,37.22) ; v11(81.99,33.89) 81.99,34.54 83.78,36.33 83.89,36.33 v11(84.53,36.97)